# Altium PCB MB1166.PcbDoc (part 10 of 39) (continued)
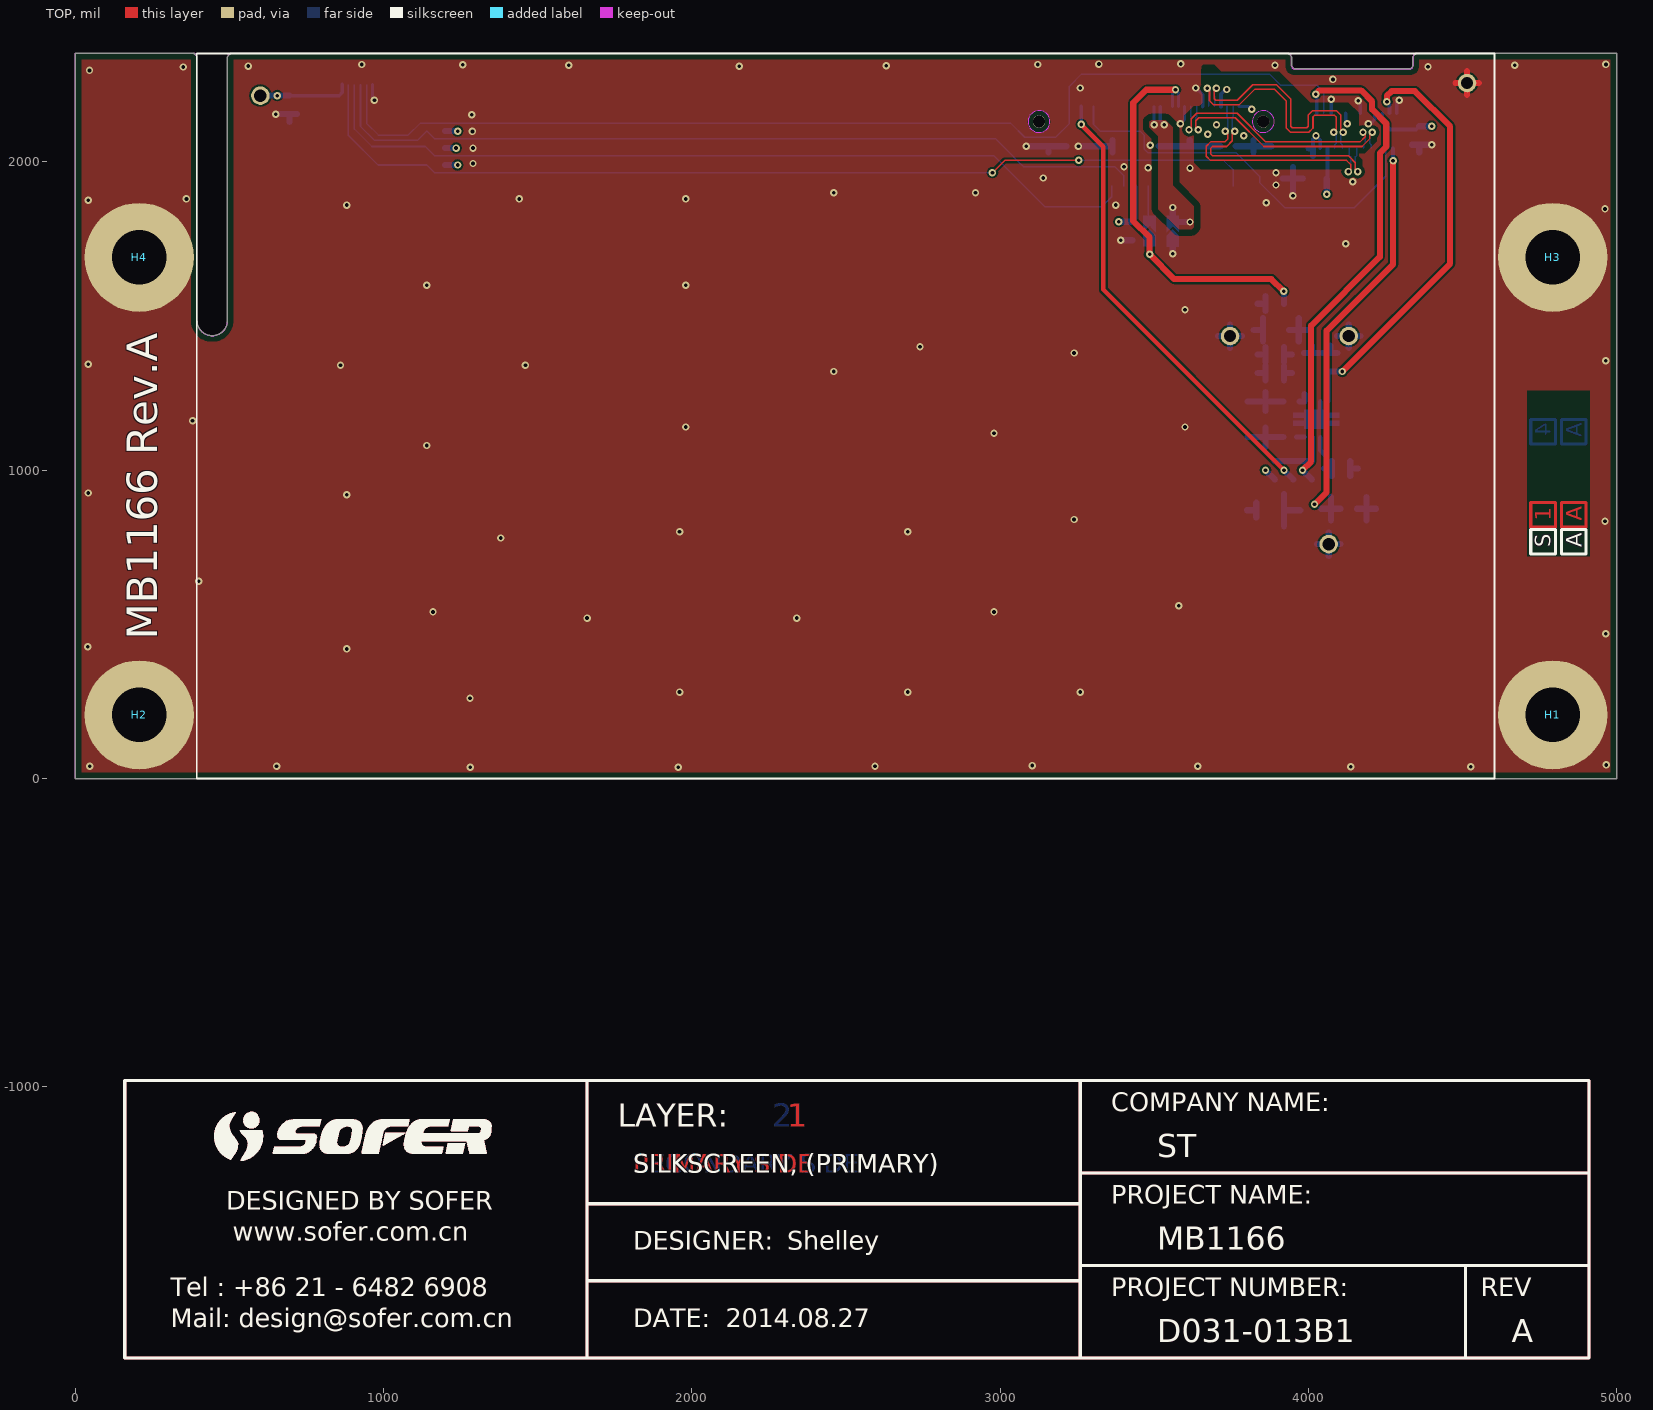
[diagram p0: TOP view]
## Nets (pads, with @x,y where several pads share a name; then routed paths per layer and width w, separated by ;. In a path a pad name is that pad's centre, name@x,y a point inside that pad or via, vN(x,y) a via of type N, cw(c..) or ccw(c..) an arc to the next point about the centre after c; other vN are vias at no path point) (continued)
; 1077.37,-1143.85 1077.41,-1143.75 ; 1077.37,-1143.85 1077.41,-1143.75 ; 1077.41,-1210.5 1077.5,-1210.56 ; 1077.41,-1210.5 1077.5,-1210.56 ; 1077.41,-1143.75 1077.44,-1143.66 ; 1077.41,-1143.75 1077.44,-1143.66 ; 1077.44,-1143.66 1077.56,-1143.39 ; 1077.44,-1143.66 1077.56,-1143.39 ; 1077.5,-1210.56 1077.58,-1210.62 ; 1077.5,-1210.56 1077.58,-1210.62 ; 1077.56,-1143.39 1077.6,-1143.29 ; 1077.56,-1143.39 1077.6,-1143.29 ; 1077.58,-1210.62 1077.66,-1210.67 ; 1077.58,-1210.62 1077.66,-1210.67 ; 1077.6,-1143.29 1077.68,-1143.11 ; 1077.6,-1143.29 1077.68,-1143.11 ; 1077.66,-1210.67 1077.75,-1210.73 ; 1077.66,-1210.67 1077.75,-1210.73 ; 1077.68,-1143.11 1077.71,-1143.02 ; 1077.68,-1143.11 1077.71,-1143.02 ; 1077.71,-1143.02 1077.75,-1142.92 ; 1077.71,-1143.02 1077.75,-1142.92 ; 1077.75,-1210.73 1077.91,-1210.83 ; 1077.75,-1210.73 1077.91,-1210.83 ; 1077.75,-1142.92 1077.87,-1142.65 ; 1077.75,-1142.92 1077.87,-1142.65 ; 1077.87,-1142.65 1077.91,-1142.55 ; 1077.87,-1142.65 1077.91,-1142.55 ; 1077.91,-1210.83 1078,-1210.89 ; 1077.91,-1210.83 1078,-1210.89 ; 1077.91,-1142.55 1077.94,-1142.46 ; 1077.91,-1142.55 1077.94,-1142.46 ; 1077.94,-1142.46 1078.06,-1142.19 ; 1077.94,-1142.46 1078.06,-1142.19 ; 1078,-1210.89 1078.09,-1210.94 ; 1078,-1210.89 1078.09,-1210.94 ; 1078.06,-1142.19 1078.1,-1142.09 ; 1078.06,-1142.19 1078.1,-1142.09 ; 1078.09,-1210.94 1078.17,-1210.99 ; 1078.09,-1210.94 1078.17,-1210.99 ; 1078.1,-1142.09 1078.13,-1142 ; 1078.1,-1142.09 1078.13,-1142 ; 1078.17,-1210.99 1078.26,-1211.04 ; 1078.17,-1210.99 1078.26,-1211.04 ; 1078.13,-1142 1078.21,-1141.82 ; 1078.13,-1142 1078.21,-1141.82 ; 1078.21,-1141.82 1078.25,-1141.72 ; 1078.21,-1141.82 1078.25,-1141.72 ; 1078.26,-1211.04 1078.34,-1211.09 ; 1078.26,-1211.04 1078.34,-1211.09 ; 1078.25,-1141.72 1078.33,-1141.54 ; 1078.25,-1141.72 1078.33,-1141.54 ; 1078.34,-1211.09 1078.61,-1211.24 ; 1078.34,-1211.09 1078.61,-1211.24 ; 1078.33,-1141.54 1078.36,-1141.45 ; 1078.33,-1141.54 1078.36,-1141.45 ; 1078.36,-1141.45 1078.4,-1141.35 ; 1078.36,-1141.45 1078.4,-1141.35 ; 1078.4,-1141.35 1078.52,-1141.08 ; 1078.4,-1141.35 1078.52,-1141.08 ; 1078.52,-1141.08 1078.56,-1140.98 ; 1078.52,-1141.08 1078.56,-1140.98 ; 1078.56,-1140.98 1078.64,-1140.8 ; 1078.56,-1140.98 1078.64,-1140.8 ; 1078.61,-1211.24 1078.69,-1211.28 ; 1078.61,-1211.24 1078.69,-1211.28 ; 1078.64,-1140.8 1078.67,-1140.71 ; 1078.64,-1140.8 1078.67,-1140.71 ; 1078.67,-1140.71 1078.71,-1140.62 ; 1078.67,-1140.71 1078.71,-1140.62 ; 1078.69,-1211.28 1078.87,-1211.38 ; 1078.69,-1211.28 1078.87,-1211.38 ; 1078.71,-1140.62 1078.75,-1140.52 ; 1078.71,-1140.62 1078.75,-1140.52 ; 1078.75,-1140.52 1078.95,-1140.07 ; 1078.75,-1140.52 1078.95,-1140.07 ; 1078.87,-1211.38 1078.96,-1211.42 ; 1078.87,-1211.38 1078.96,-1211.42 ; 1078.96,-1211.42 1079.05,-1211.47 ; 1078.96,-1211.42 1079.05,-1211.47 ; 1078.95,-1140.07 1078.99,-1139.97 ; 1078.95,-1140.07 1078.99,-1139.97 ; 1078.99,-1139.97 1079.19,-1139.52 ; 1078.99,-1139.97 1079.19,-1139.52 ; 1079.05,-1211.47 1079.14,-1211.51 ; 1079.05,-1211.47 1079.14,-1211.51 ; 1079.04,-1127.76 1079.08,-1127.58 ; 1079.04,-1127.76 1079.08,-1127.58 ; 1079.08,-1127.58 1079.14,-1127.28 ; 1079.08,-1127.58 1079.14,-1127.28 ; 1079.14,-1211.51 1079.23,-1211.56 ; 1079.14,-1211.51 1079.23,-1211.56 ; 1079.14,-1127.28 1079.16,-1127.19 ; 1079.14,-1127.28 1079.16,-1127.19 ; 1079.16,-1127.19 1079.24,-1126.79 ; 1079.16,-1127.19 1079.24,-1126.79 ; 1079.19,-1139.52 1079.24,-1139.43 ; 1079.19,-1139.52 1079.24,-1139.43 ; 1079.23,-1211.56 1079.32,-1211.6 ; 1079.23,-1211.56 1079.32,-1211.6 ; 1079.24,-1139.43 1079.28,-1139.33 ; 1079.24,-1139.43 1079.28,-1139.33 ; 1079.24,-1126.79 1079.26,-1126.7 ; 1079.24,-1126.79 1079.26,-1126.7 ; 1079.26,-1126.7 1079.28,-1126.6 ; 1079.26,-1126.7 1079.28,-1126.6 ; 1079.32,-1211.6 1079.41,-1211.65 ; 1079.32,-1211.6 1079.41,-1211.65 ; 1079.28,-1139.33 1079.4,-1139.06 ; 1079.28,-1139.33 1079.4,-1139.06 ; 1079.28,-1126.6 1078.12,-1127.76 1079.28,-1126.6 ; 1079.28,-1126.6 1079.31,-1126.5 ; 1079.28,-1126.6 1079.31,-1126.5 ; 1079.31,-1126.5 1079.35,-1126.3 ; 1079.31,-1126.5 1079.35,-1126.3 ; 1079.35,-1126.3 1079.37,-1126.21 ; 1079.35,-1126.3 1079.37,-1126.21 ; 1079.37,-1126.21 1079.43,-1125.91 ; 1079.37,-1126.21 1079.43,-1125.91 ; 1079.41,-1211.65 1079.59,-1211.73 ; 1079.41,-1211.65 1079.59,-1211.73 ; 1079.4,-1139.06 1079.45,-1138.97 ; 1079.4,-1139.06 1079.45,-1138.97 ; 1079.45,-1138.97 1079.57,-1138.7 ; 1079.45,-1138.97 1079.57,-1138.7 ; 1079.43,-1125.91 1079.45,-1125.82 ; 1079.43,-1125.91 1079.45,-1125.82 ; 1079.45,-1125.82 1079.53,-1125.42 ; 1079.45,-1125.82 1079.53,-1125.42 ; 1079.57,-1138.7 1079.62,-1138.61 ; 1079.57,-1138.7 1079.62,-1138.61 ; 1079.53,-1125.42 1079.55,-1125.33 ; 1079.53,-1125.42 1079.55,-1125.33 ; 1079.55,-1125.33 1079.57,-1125.23 ; 1079.55,-1125.33 1079.57,-1125.23 ; 1079.57,-1125.23 1079.6,-1125.13 ; 1079.57,-1125.23 1079.6,-1125.13 ; 1079.59,-1211.73 1079.68,-1211.78 ; 1079.59,-1211.73 1079.68,-1211.78 ; 1079.62,-1138.61 1079.66,-1138.52 ; 1079.62,-1138.61 1079.66,-1138.52 ; 1079.6,-1125.13 1079.62,-1125.03 ; 1079.6,-1125.13 1079.62,-1125.03 ; 1079.62,-1125.03 1079.64,-1124.94 ; 1079.62,-1125.03 1079.64,-1124.94 ; 1079.66,-1138.52 1079.71,-1138.43 ; 1079.66,-1138.52 1079.71,-1138.43 ; 1079.64,-1124.94 1079.72,-1124.54 ; 1079.64,-1124.94 1079.72,-1124.54 ; 1079.68,-1211.78 1080.04,-1211.94 ; 1079.68,-1211.78 1080.04,-1211.94 ; 1079.71,-1138.43 1079.79,-1138.25 ; 1079.71,-1138.43 1079.79,-1138.25 ; 1079.72,-1124.54 1079.74,-1124.45 ; 1079.72,-1124.54 1079.74,-1124.45 ; 1079.74,-1124.45 1079.82,-1124.05 ; 1079.74,-1124.45 1079.82,-1124.05 ; 1079.79,-1138.25 1079.89,-1138.07 ; 1079.79,-1138.25 1079.89,-1138.07 ; 1079.82,-1124.05 1079.84,-1123.96 ; 1079.82,-1124.05 1079.84,-1123.96 ; 1079.84,-1123.96 1079.87,-1123.86 ; 1079.84,-1123.96 1079.87,-1123.86 ; 1079.87,-1123.86 1079.91,-1123.66 ; 1079.87,-1123.86 1079.91,-1123.66 ; 1079.89,-1138.07 1079.93,-1137.98 ; 1079.89,-1138.07 1079.93,-1137.98 ; 1079.91,-1123.66 1079.93,-1123.57 ; 1079.91,-1123.66 1079.93,-1123.57 ; 1079.93,-1137.98 1079.98,-1137.9 ; 1079.93,-1137.98 1079.98,-1137.9 ; 1079.93,-1123.57 1080.01,-1123.17 ; 1079.93,-1123.57 1080.01,-1123.17 ; 1079.98,-1137.9 1080.02,-1137.81 ; 1079.98,-1137.9 1080.02,-1137.81 ; 1080.02,-1137.81 1080.12,-1137.63 ; 1080.02,-1137.81 1080.12,-1137.63 ; 1080.01,-1123.17 1080.03,-1123.08 ; 1080.01,-1123.17 1080.03,-1123.08 ; 1080.04,-1211.94 1080.13,-1211.99 ; 1080.04,-1211.94 1080.13,-1211.99 ; 1080.03,-1123.08 1080.09,-1122.78 ; 1080.03,-1123.08 1080.09,-1122.78 ; 1080.12,-1137.63 1080.16,-1137.54 ; 1080.12,-1137.63 1080.16,-1137.54 ; 1080.09,-1122.78 1080.11,-1122.69 ; 1080.09,-1122.78 1080.11,-1122.69 ; 1080.11,-1122.69 1080.13,-1122.59 ; 1080.11,-1122.69 1080.13,-1122.59 ; 1080.13,-1211.99 1080.31,-1212.07 ; 1080.13,-1211.99 1080.31,-1212.07 ; 1080.16,-1137.54 1080.21,-1137.45 ; 1080.16,-1137.54 1080.21,-1137.45 ; 1080.13,-1122.59 1080.16,-1122.49 ; 1080.13,-1122.59 1080.16,-1122.49 ; 1080.16,-1122.49 1080.2,-1122.29 ; 1080.16,-1122.49 1080.2,-1122.29 ; 1080.21,-1137.45 1080.26,-1137.37 ; 1080.21,-1137.45 1080.26,-1137.37 ; 1080.2,-1122.29 1080.22,-1122.2 ; 1080.2,-1122.29 1080.22,-1122.2 ; 1080.22,-1122.2 1080.3,-1121.8 ; 1080.22,-1122.2 1080.3,-1121.8 ; 1080.26,-1137.37 1080.41,-1137.1 ; 1080.26,-1137.37 1080.41,-1137.1 ; 1080.31,-1212.07 1080.41,-1212.11 ; 1080.31,-1212.07 1080.41,-1212.11 ; 1080.3,-1121.8 1080.32,-1121.71 ; 1080.3,-1121.8 1080.32,-1121.71 ; 1080.32,-1121.71 1080.38,-1121.41 ; 1080.32,-1121.71 1080.38,-1121.41 ; 1080.41,-1212.11 1080.86,-1212.31 ; 1080.41,-1212.11 1080.86,-1212.31 ; 1080.41,-1137.1 1080.45,-1137.02 ; 1080.41,-1137.1 1080.45,-1137.02 ; 1080.38,-1121.41 1080.4,-1121.32 ; 1080.38,-1121.41 1080.4,-1121.32 ; 1080.4,-1121.32 1080.43,-1121.22 ; 1080.4,-1121.32 1080.43,-1121.22 ; 1080.45,-1137.02 1080.55,-1136.84 ; 1080.45,-1137.02 1080.55,-1136.84 ; 1080.43,-1121.22 1080.49,-1120.92 ; 1080.43,-1121.22 1080.49,-1120.92 ; 1080.49,-1120.9 1073.63,-1127.76 1080.49,-1120.9 ; 1080.49,-1120.92 1080.51,-1120.83 ; 1080.49,-1120.92 1080.51,-1120.83 ; 1080.51,-1120.83 1080.57,-1120.53 ; 1080.51,-1120.83 1080.57,-1120.53 ; 1080.55,-1136.84 1080.6,-1136.76 ; 1080.55,-1136.84 1080.6,-1136.76 ; 1080.57,-1120.53 1080.59,-1120.44 ; 1080.57,-1120.53 1080.59,-1120.44 ; 1080.6,-1136.76 1080.7,-1136.58 ; 1080.6,-1136.76 1080.7,-1136.58 ; 1080.59,-1120.44 1080.67,-1120.04 ; 1080.59,-1120.44 1080.67,-1120.04 ; 1080.67,-1120.04 1080.69,-1119.95 ; 1080.67,-1120.04 1080.69,-1119.95 ; 1080.7,-1136.58 1080.76,-1136.5 ; 1080.7,-1136.58 1080.76,-1136.5 ; 1080.69,-1119.95 1080.72,-1119.85 ; 1080.69,-1119.95 1080.72,-1119.85 ; 1080.72,-1119.85 1080.78,-1119.55 ; 1080.72,-1119.85 1080.78,-1119.55 ; 1080.76,-1136.5 1080.81,-1136.41 ; 1080.76,-1136.5 1080.81,-1136.41 ; 1080.81,-1136.41 1080.86,-1136.33 ; 1080.81,-1136.41 1080.86,-1136.33 ; 1080.78,-1119.55 1080.8,-1119.46 ; 1080.78,-1119.55 1080.8,-1119.46 ; 1080.8,-1119.46 1080.86,-1119.16 ; 1080.8,-1119.46 1080.86,-1119.16 ; 1080.86,-1212.31 1080.96,-1212.34 ; 1080.86,-1212.31 1080.96,-1212.34 ; 1080.86,-1136.33 1080.91,-1136.24 ; 1080.86,-1136.33 1080.91,-1136.24 ; 1080.86,-1119.16 1080.88,-1119.07 ; 1080.86,-1119.16 1080.88,-1119.07 ; 1080.91,-1136.24 1080.96,-1136.16 ; 1080.91,-1136.24 1080.96,-1136.16 ; 1080.88,-1119.07 1080.96,-1118.67 ; 1080.88,-1119.07 1080.96,-1118.67 ; 1080.96,-1212.34 1081.32,-1212.5 ; 1080.96,-1212.34 1081.32,-1212.5 ; 1080.96,-1136.16 1081.01,-1136.07 ; 1080.96,-1136.16 1081.01,-1136.07 ; 1080.96,-1118.67 1080.99,-1118.58 ; 1080.96,-1118.67 1080.99,-1118.58 ; 1081.01,-1136.07 1081.07,-1135.98 ; 1081.01,-1136.07 1081.07,-1135.98 ; 1080.99,-1118.58 1081.05,-1118.28 ; 1080.99,-1118.58 1081.05,-1118.28 ; 1081.07,-1135.98 1081.12,-1135.9 ; 1081.07,-1135.98 1081.12,-1135.9 ; 1081.05,-1118.28 1081.07,-1118.19 ; 1081.05,-1118.28 1081.07,-1118.19 ; 1081.07,-1118.19 1081.15,-1117.79 ; 1081.07,-1118.19 1081.15,-1117.79 ; 1081.12,-1135.9 1081.17,-1135.81 ; 1081.12,-1135.9 1081.17,-1135.81 ; 1081.17,-1135.81 1081.22,-1135.73 ; 1081.17,-1135.81 1081.22,-1135.73 ; 1081.15,-1117.79 1081.17,-1117.7 ; 1081.15,-1117.79 1081.17,-1117.7 ; 1081.17,-1117.7 1081.25,-1117.3 ; 1081.17,-1117.7 1081.25,-1117.3 ; 1081.22,-1135.73 1081.28,-1135.64 ; 1081.22,-1135.73 1081.28,-1135.64 ; 1081.25,-1117.3 1081.28,-1117.21 ; 1081.25,-1117.3 1081.28,-1117.21 ; 1081.32,-1212.5 1081.42,-1212.54 ; 1081.32,-1212.5 1081.42,-1212.54 ; 1081.28,-1135.64 1081.33,-1135.56 ; 1081.28,-1135.64 1081.33,-1135.56 ; 1081.28,-1117.21 1081.34,-1116.91 ; 1081.28,-1117.21 1081.34,-1116.91 ; 1081.33,-1135.56 1081.38,-1135.47 ; 1081.33,-1135.56 1081.38,-1135.47 ; 1081.34,-1116.91 1081.36,-1116.82 ; 1081.34,-1116.91 1081.36,-1116.82 ; 1081.36,-1116.82 1081.44,-1116.42 ; 1081.36,-1116.82 1081.44,-1116.42 ; 1081.42,-1212.54 1081.78,-1212.7 ; 1081.42,-1212.54 1081.78,-1212.7 ; 1081.38,-1135.47 1081.43,-1135.39 ; 1081.38,-1135.47 1081.43,-1135.39 ; 1081.43,-1135.39 1081.49,-1135.31 ; 1081.43,-1135.39 1081.49,-1135.31 ; 1081.44,-1116.42 1081.46,-1116.33 ; 1081.44,-1116.42 1081.46,-1116.33 ; 1081.46,-1116.33 1081.52,-1116.03 ; 1081.46,-1116.33 1081.52,-1116.03 ; 1081.49,-1135.31 1081.54,-1135.22 ; 1081.49,-1135.31 1081.54,-1135.22 ; 1081.52,-1116.03 1081.55,-1115.94 ; 1081.52,-1116.03 1081.55,-1115.94 ; 1081.54,-1135.22 1081.59,-1135.14 ; 1081.54,-1135.22 1081.59,-1135.14 ; 1081.55,-1115.94 1081.63,-1115.54 ; 1081.55,-1115.94 1081.63,-1115.54 ; 1081.59,-1135.14 1081.65,-1135.05 ; 1081.59,-1135.14 1081.65,-1135.05 ; 1081.65,-1135.05 1081.7,-1134.97 ; 1081.65,-1135.05 1081.7,-1134.97 ; 1081.63,-1115.54 1081.65,-1115.45 ; 1081.63,-1115.54 1081.65,-1115.45 ; 1081.65,-1115.45 1081.73,-1115.05 ; 1081.65,-1115.45 1081.73,-1115.05 ; 1081.7,-1134.97 1081.75,-1134.88 ; 1081.7,-1134.97 1081.75,-1134.88 ; 1081.75,-1134.88 1081.81,-1134.8 ; 1081.75,-1134.88 1081.81,-1134.8 ; 1081.73,-1115.05 1081.75,-1114.96 ; 1081.73,-1115.05 1081.75,-1114.96 ; 1081.75,-1114.96 1081.81,-1114.66 ; 1081.75,-1114.96 1081.81,-1114.66 ; 1081.78,-1212.7 1081.88,-1212.73 ; 1081.78,-1212.7 1081.88,-1212.73 ; 1081.81,-1134.8 1081.86,-1134.71 ; 1081.81,-1134.8 1081.86,-1134.71 ; 1081.81,-1114.66 1081.84,-1114.57 ; 1081.81,-1114.66 1081.84,-1114.57 ; 1081.86,-1134.71 1081.92,-1134.63 ; 1081.86,-1134.71 1081.92,-1134.63 ; 1081.84,-1114.57 1081.92,-1114.17 ; 1081.84,-1114.57 1081.92,-1114.17 ; 1081.88,-1212.73 1082.15,-1212.85 ; 1081.88,-1212.73 1082.15,-1212.85 ; 1081.92,-1134.63 1081.97,-1134.55 ; 1081.92,-1134.63 1081.97,-1134.55 ; 1081.92,-1114.17 1081.94,-1114.08 ; 1081.92,-1114.17 1081.94,-1114.08 ; 1081.97,-1134.55 1082.02,-1134.46 ; 1081.97,-1134.55 1082.02,-1134.46 ; 1081.94,-1114.08 1082,-1113.78 ; 1081.94,-1114.08 1082,-1113.78 ; 1082.02,-1134.46 1082.08,-1134.38 ; 1082.02,-1134.46 1082.08,-1134.38 ; 1082,-1113.78 1082.02,-1113.69 ; 1082,-1113.78 1082.02,-1113.69 ; 1082.02,-1113.69 1082.08,-1113.39 ; 1082.02,-1113.69 1082.08,-1113.39 ; 1082.08,-1134.38 1082.13,-1134.29 ; 1082.08,-1134.38 1082.13,-1134.29 ; 1082.08,-1113.39 1082.11,-1113.29 ; 1082.08,-1113.39 1082.11,-1113.29 ; 1082.11,-1113.29 1082.13,-1113.2 ; 1082.11,-1113.29 1082.13,-1113.2 ; 1082.15,-1212.85 1082.25,-1212.89 ; 1082.15,-1212.85 1082.25,-1212.89 ; 1082.13,-1134.29 1082.18,-1134.21 ; 1082.13,-1134.29 1082.18,-1134.21 ; 1082.13,-1113.2 1082.21,-1112.8 ; 1082.13,-1113.2 1082.21,-1112.8 ; 1082.18,-1134.21 1082.24,-1134.12 ; 1082.18,-1134.21 1082.24,-1134.12 ; 1082.21,-1112.8 1082.23,-1112.71 ; 1082.21,-1112.8 1082.23,-1112.71 ; 1082.25,-1212.89 1082.43,-1212.97 ; 1082.25,-1212.89 1082.43,-1212.97 ; 1082.24,-1134.12 1082.29,-1134.04 ; 1082.24,-1134.12 1082.29,-1134.04 ; 1082.23,-1112.71 1082.29,-1112.41 ; 1082.23,-1112.71 1082.29,-1112.41 ; 1082.29,-1134.04 1082.35,-1133.96 ; 1082.29,-1134.04 1082.35,-1133.96 ; 1082.29,-1112.41 1082.31,-1112.32 ; 1082.29,-1112.41 1082.31,-1112.32 ; 1082.31,-1112.32 1082.37,-1112.02 ; 1082.31,-1112.32 1082.37,-1112.02 ; 1082.35,-1133.96 1082.4,-1133.87 ; 1082.35,-1133.96 1082.4,-1133.87 ; 1082.37,-1112.02 1082.4,-1111.92 ; 1082.37,-1112.02 1082.4,-1111.92 ; 1082.4,-1133.87 1082.45,-1133.79 ; 1082.4,-1133.87 1082.45,-1133.79 ; 1082.4,-1111.92 1082.42,-1111.83 ; 1082.4,-1111.92 1082.42,-1111.83 ; 1082.42,-1111.83 1082.48,-1111.53 ; 1082.42,-1111.83 1082.48,-1111.53 ; 1082.43,-1212.97 1082.52,-1213 ; 1082.43,-1212.97 1082.52,-1213 ; 1082.45,-1133.79 1082.51,-1133.7 ; 1082.45,-1133.79 1082.51,-1133.7 ; 1082.52,-1213 1082.62,-1213.04 ; 1082.52,-1213 1082.62,-1213.04 ; 1082.51,-1133.7 1082.56,-1133.62 ; 1082.51,-1133.7 1082.56,-1133.62 ; 1082.48,-1111.53 1082.5,-1111.44 ; 1082.48,-1111.53 1082.5,-1111.44 ; 1082.5,-1111.44 1082.58,-1111.04 ; 1082.5,-1111.44 1082.58,-1111.04 ; 1082.56,-1133.62 1082.61,-1133.53 ; 1082.56,-1133.62 1082.61,-1133.53 ; 1082.62,-1213.04 1082.8,-1213.12 ; 1082.62,-1213.04 1082.8,-1213.12 ; 1082.61,-1133.53 1082.67,-1133.45 ; 1082.61,-1133.53 1082.67,-1133.45 ; 1082.58,-1111.04 1082.6,-1110.95 ; 1082.58,-1111.04 1082.6,-1110.95 ; 1082.6,-1110.95 1082.64,-1110.75 ; 1082.6,-1110.95 1082.64,-1110.75 ; 1082.67,-1133.45 1082.72,-1133.36 ; 1082.67,-1133.45 1082.72,-1133.36 ; 1082.64,-1110.75 1082.67,-1110.65 ; 1082.64,-1110.75 1082.67,-1110.65 ; 1082.67,-1110.65 1082.69,-1110.55 ; 1082.67,-1110.65 1082.69,-1110.55 ; 1082.72,-1133.36 1082.77,-1133.28 ; 1082.72,-1133.36 1082.77,-1133.28 ; 1082.69,-1110.55 1082.71,-1110.46 ; 1082.69,-1110.55 1082.71,-1110.46 ; 1082.71,-1110.46 1082.77,-1110.16 ; 1082.71,-1110.46 1082.77,-1110.16 ; 1082.77,-1133.28 1082.83,-1133.19 ; 1082.77,-1133.28 1082.83,-1133.19 ; 1082.77,-1110.16 1082.79,-1110.07 ; 1082.77,-1110.16 1082.79,-1110.07 ; 1082.8,-1213.12 1082.89,-1213.15 ; 1082.8,-1213.12 1082.89,-1213.15 ; 1082.79,-1110.07 1082.87,-1109.67 ; 1082.79,-1110.07 1082.87,-1109.67 ; 1082.83,-1133.19 1082.88,-1133.11 ; 1082.83,-1133.19 1082.88,-1133.11 ; 1082.87,-1109.67 1082.89,-1109.58 ; 1082.87,-1109.67 1082.89,-1109.58 ; 1082.89,-1213.15 1082.99,-1213.19 ; 1082.89,-1213.15 1082.99,-1213.19 ; 1082.88,-1133.11 1082.93,-1133.02 ; 1082.88,-1133.11 1082.93,-1133.02 ; 1082.89,-1109.58 1082.93,-1109.38 ; 1082.89,-1109.58 1082.93,-1109.38 ; 1082.93,-1133.02 1082.99,-1132.94 ; 1082.93,-1133.02 1082.99,-1132.94 ; 1082.93,-1109.38 1082.96,-1109.28 ; 1082.93,-1109.38 1082.96,-1109.28 ; 1082.96,-1109.28 1082.98,-1109.19 ; 1082.96,-1109.28 1082.98,-1109.19 ; 1082.99,-1213.19 1083.17,-1213.27 ; 1082.99,-1213.19 1083.17,-1213.27 ; 1082.99,-1132.94 1083.04,-1132.85 ; 1082.99,-1132.94 1083.04,-1132.85 ; 1082.98,-1109.19 1083.06,-1108.79 ; 1082.98,-1109.19 1083.06,-1108.79 ; 1083.04,-1132.85 1083.09,-1132.77 ; 1083.04,-1132.85 1083.09,-1132.77 ; 1083.06,-1108.79 1083.08,-1108.7 ; 1083.06,-1108.79 1083.08,-1108.7 ; 1083.09,-1132.77 1083.14,-1132.68 ; 1083.09,-1132.77 1083.14,-1132.68 ; 1083.08,-1108.7 1083.16,-1108.3 ; 1083.08,-1108.7 1083.16,-1108.3 ; 1083.17,-1213.27 1083.27,-1213.3 ; 1083.17,-1213.27 1083.27,-1213.3 ; 1083.14,-1132.68 1083.19,-1132.6 ; 1083.14,-1132.68 1083.19,-1132.6 ; 1083.16,-1108.3 1083.18,-1108.21 ; 1083.16,-1108.3 1083.18,-1108.21 ; 1083.19,-1132.6 1083.25,-1132.51 ; 1083.19,-1132.6 1083.25,-1132.51 ; 1083.18,-1108.21 1083.2,-1108.11 ; 1083.18,-1108.21 1083.2,-1108.11 ; 1083.2,-1108.11 1083.23,-1108.01 ; 1083.2,-1108.11 1083.23,-1108.01 ; 1083.27,-1213.3 1083.36,-1213.34 ; 1083.27,-1213.3 1083.36,-1213.34 ; 1083.25,-1132.51 1083.3,-1132.43 ; 1083.25,-1132.51 1083.3,-1132.43 ; 1083.23,-1108.01 1083.25,-1107.91 ; 1083.23,-1108.01 1083.25,-1107.91 ; 1083.25,-1107.91 1083.27,-1107.82 ; 1083.25,-1107.91 1083.27,-1107.82 ; 1083.27,-1107.82 1083.35,-1107.42 ; 1083.27,-1107.82 1083.35,-1107.42 ; 1083.3,-1132.43 1083.35,-1132.34 ; 1083.3,-1132.43 1083.35,-1132.34 ; 1083.36,-1213.34 1083.45,-1213.37 ; 1083.36,-1213.34 1083.45,-1213.37 ; 1083.35,-1132.34 1083.4,-1132.26 ; 1083.35,-1132.34 1083.4,-1132.26 ; 1083.35,-1107.42 1083.37,-1107.33 ; 1083.35,-1107.42 1083.37,-1107.33 ; 1083.37,-1107.33 1083.43,-1107.03 ; 1083.37,-1107.33 1083.43,-1107.03 ; 1083.4,-1132.26 1083.5,-1132.08 ; 1083.4,-1132.26 1083.5,-1132.08 ; 1083.45,-1213.37 1083.55,-1213.41 ; 1083.45,-1213.37 1083.55,-1213.41 ; 1083.43,-1107.03 1083.45,-1106.94 ; 1083.43,-1107.03 1083.45,-1106.94 ; 1083.45,-1106.94 1083.49,-1106.74 ; 1083.45,-1106.94 1083.49,-1106.74 ; 1083.5,-1132.08 1083.56,-1132 ; 1083.5,-1132.08 1083.56,-1132 ; 1083.55,-1213.41 1083.64,-1213.45 ; 1083.55,-1213.41 1083.64,-1213.45 ; 1083.56,-1132 1083.61,-1131.91 ; 1083.56,-1132 1083.61,-1131.91 ; 1083.61,-1131.91 1083.66,-1131.83 ; 1083.61,-1131.91 1083.66,-1131.83 ; 1083.64,-1213.45 1083.73,-1213.48 ; 1083.64,-1213.45 1083.73,-1213.48 ; 1083.66,-1131.83 1083.71,-1131.74 ; 1083.66,-1131.83 1083.71,-1131.74 ; 1083.71,-1131.74 1083.76,-1131.66 ; 1083.71,-1131.74 1083.76,-1131.66 ; 1083.73,-1213.48 1083.83,-1213.52 ; 1083.73,-1213.48 1083.83,-1213.52 ; 1083.76,-1131.66 1083.86,-1131.48 ; 1083.76,-1131.66 1083.86,-1131.48 ; 1083.83,-1213.52 1084.01,-1213.58 ; 1083.83,-1213.52 1084.01,-1213.58 ; 1083.86,-1131.48 1083.91,-1131.4 ; 1083.86,-1131.48 1083.91,-1131.4 ; 1083.91,-1131.4 1083.96,-1131.31 ; 1083.91,-1131.4 1083.96,-1131.31 ; 1083.96,-1131.31 1084.01,-1131.23 ; 1083.96,-1131.31 1084.01,-1131.23 ; 1084.01,-1213.58 1084.11,-1213.62 ; 1084.01,-1213.58 1084.11,-1213.62 ; 1084.01,-1131.23 1084.07,-1131.14 ; 1084.01,-1131.23 1084.07,-1131.14 ; 1084.07,-1131.14 1084.12,-1131.05 ; 1084.07,-1131.14 1084.12,-1131.05 ; 1084.11,-1213.62 1084.2,-1213.65 ; 1084.11,-1213.62 1084.2,-1213.65 ; 1084.12,-1131.05 1084.17,-1130.97 ; 1084.12,-1131.05 1084.17,-1130.97 ; 1084.17,-1130.97 1084.22,-1130.88 ; 1084.17,-1130.97 1084.22,-1130.88 ; 1084.2,-1213.65 1084.3,-1213.69 ; 1084.2,-1213.65 1084.3,-1213.69 ; 1084.22,-1130.88 1084.27,-1130.8 ; 1084.22,-1130.88 1084.27,-1130.8 ; 1084.27,-1130.8 1084.37,-1130.62 ; 1084.27,-1130.8 1084.37,-1130.62 ; 1084.3,-1213.69 1084.39,-1213.72 ; 1084.3,-1213.69 1084.39,-1213.72 ; 1084.37,-1130.62 1084.42,-1130.54 ; 1084.37,-1130.62 1084.42,-1130.54 ; 1084.39,-1213.72 1084.49,-1213.75 ; 1084.39,-1213.72 1084.49,-1213.75 ; 1084.42,-1130.54 1084.48,-1130.45 ; 1084.42,-1130.54 1084.48,-1130.45 ; 1084.49,-1213.75 1084.58,-1213.78 ; 1084.49,-1213.75 1084.58,-1213.78 ; 1084.48,-1130.45 1084.53,-1130.37 ; 1084.48,-1130.45 1084.53,-1130.37 ; 1084.53,-1130.37 1084.63,-1130.19 ; 1084.53,-1130.37 1084.63,-1130.19 ; 1084.58,-1213.78 1084.67,-1213.82 ; 1084.58,-1213.78 1084.67,-1213.82 ; 1084.67,-1213.82 1084.77,-1213.85 ; 1084.67,-1213.82 1084.77,-1213.85 ; 1084.63,-1130.19 1084.68,-1130.11 ; 1084.63,-1130.19 1084.68,-1130.11 ; 1084.68,-1130.11 1084.73,-1130.02 ; 1084.68,-1130.11 1084.73,-1130.02 ; 1084.77,-1213.85 1084.86,-1213.88 ; 1084.77,-1213.85 1084.86,-1213.88 ; 1084.73,-1130.02 1084.79,-1129.94 ; 1084.73,-1130.02 1084.79,-1129.94 ; 1084.79,-1129.94 1084.84,-1129.85 ; 1084.79,-1129.94 1084.84,-1129.85 ; 1084.86,-1213.88 1085.06,-1213.94 ; 1084.86,-1213.88 1085.06,-1213.94 ; 1084.84,-1129.85 1084.89,-1129.77 ; 1084.84,-1129.85 1084.89,-1129.77 ; 1084.89,-1129.77 1084.94,-1129.68 ; 1084.89,-1129.77 1084.94,-1129.68 ; 1084.94,-1129.68 1085,-1129.6 ; 1084.94,-1129.68 1085,-1129.6 ; 1085,-1129.6 1085.05,-1129.51 ; 1085,-1129.6 1085.05,-1129.51 ; 1085.06,-1213.94 1085.15,-1213.97 ; 1085.06,-1213.94 1085.15,-1213.97 ; 1085.05,-1129.51 1085.1,-1129.43 ; 1085.05,-1129.51 1085.1,-1129.43 ; 1085.1,-1129.43 1085.16,-1129.34 ; 1085.1,-1129.43 1085.16,-1129.34 ; 1085.15,-1213.97 1085.25,-1214 ; 1085.15,-1213.97 1085.25,-1214 ; 1085.16,-1129.34 1085.26,-1129.18 ; 1085.16,-1129.34 1085.26,-1129.18 ; 1085.25,-1214 1085.34,-1214.03 ; 1085.25,-1214 1085.34,-1214.03 ; 1085.26,-1129.18 1085.32,-1129.09 ; 1085.26,-1129.18 1085.32,-1129.09 ; 1085.32,-1129.09 1085.37,-1129.01 ; 1085.32,-1129.09 1085.37,-1129.01 ; 1085.34,-1214.03 1085.44,-1214.05 ; 1085.34,-1214.03 1085.44,-1214.05 ; 1085.37,-1129.01 1085.43,-1128.92 ; 1085.37,-1129.01 1085.43,-1128.92 ; 1085.44,-1214.05 1085.53,-1214.08 ; 1085.44,-1214.05 1085.53,-1214.08 ; 1085.43,-1128.92 1085.48,-1128.84 ; 1085.43,-1128.92 1085.48,-1128.84 ; 1085.48,-1128.84 1085.54,-1128.76 ; 1085.48,-1128.84 1085.54,-1128.76 ; 1085.53,-1214.08 1085.73,-1214.14 ; 1085.53,-1214.08 1085.73,-1214.14 ; 1085.54,-1128.76 1085.59,-1128.67 ; 1085.54,-1128.76 1085.59,-1128.67 ; 1085.59,-1128.67 1085.65,-1128.59 ; 1085.59,-1128.67 1085.65,-1128.59 ; 1085.65,-1128.59 1085.7,-1128.51 ; 1085.65,-1128.59 1085.7,-1128.51 ; 1085.7,-1128.51 1085.76,-1128.42 ; 1085.7,-1128.51 1085.76,-1128.42 ; 1085.73,-1214.14 1085.82,-1214.17 ; 1085.73,-1214.14 1085.82,-1214.17 ; 1085.76,-1128.42 1085.81,-1128.34 ; 1085.76,-1128.42 1085.81,-1128.34 ; 1085.82,-1214.17 1085.92,-1214.19 ; 1085.82,-1214.17 1085.92,-1214.19 ; 1085.81,-1128.34 1085.93,-1128.18 ; 1085.81,-1128.34 1085.93,-1128.18 ; 1085.92,-1214.19 1086.02,-1214.22 ; 1085.92,-1214.19 1086.02,-1214.22 ; 1085.93,-1128.18 1085.99,-1128.09 ; 1085.93,-1128.18 1085.99,-1128.09 ; 1086.02,-1214.22 1086.11,-1214.25 ; 1086.02,-1214.22 1086.11,-1214.25 ; 1085.99,-1128.09 1086.04,-1128.01 ; 1085.99,-1128.09 1086.04,-1128.01 ; 1086.04,-1128.01 1086.34,-1127.61 ; 1086.04,-1128.01 1086.34,-1127.61 ; 1086.11,-1214.25 1086.21,-1214.27 ; 1086.11,-1214.25 1086.21,-1214.27 ; 1086.21,-1214.27 1086.3,-1214.3 ; 1086.21,-1214.27 1086.3,-1214.3 ; 1086.3,-1214.3 1086.4,-1214.32 ; 1086.3,-1214.3 1086.4,-1214.32 ; 1086.34,-1127.61 1086.39,-1127.53 ; 1086.34,-1127.61 1086.39,-1127.53 ; 1086.4,-1214.32 1086.5,-1214.35 ; 1086.4,-1214.32 1086.5,-1214.35 ; 1086.39,-1127.53 1086.69,-1127.13 ; 1086.39,-1127.53 1086.69,-1127.13 ; 1086.5,-1214.35 1086.59,-1214.37 ; 1086.5,-1214.35 1086.59,-1214.37 ; 1086.59,-1214.37 1086.69,-1214.4 ; 1086.59,-1214.37 1086.69,-1214.4 ; 1086.69,-1214.4 1086.79,-1214.42 ; 1086.69,-1214.4 1086.79,-1214.42 ; 1086.69,-1127.13 1086.76,-1127.05 ; 1086.69,-1127.13 1086.76,-1127.05 ; 1086.76,-1127.05 1087.12,-1126.57 ; 1086.76,-1127.05 1087.12,-1126.57 ; 1086.79,-1214.42 1086.89,-1214.45 ; 1086.79,-1214.42 1086.89,-1214.45 ; 1086.89,-1214.45 1086.98,-1214.47 ; 1086.89,-1214.45 1086.98,-1214.47 ; 1086.98,-1214.47 1087.08,-1214.5 ; 1086.98,-1214.47 1087.08,-1214.5 ; 1087.08,-1214.5 1087.18,-1214.52 ; 1087.08,-1214.5 1087.18,-1214.52 ; 1087.12,-1126.57 1087.19,-1126.5 ; 1087.12,-1126.57 1087.19,-1126.5 ; 1087.18,-1214.52 1087.27,-1214.55 ; 1087.18,-1214.52 1087.27,-1214.55 ; 1087.19,-1126.5 1087.31,-1126.34 ; 1087.19,-1126.5 1087.31,-1126.34 ; 1087.27,-1214.55 1087.37,-1214.57 ; 1087.27,-1214.55 1087.37,-1214.57 ; 1087.31,-1126.34 1087.38,-1126.26 ; 1087.31,-1126.34 1087.38,-1126.26 ; 1087.37,-1214.57 1087.47,-1214.6 ; 1087.37,-1214.57 1087.47,-1214.6 ; 1087.38,-1126.26 1087.44,-1126.19 ; 1087.38,-1126.26 1087.44,-1126.19 ; 1087.47,-1214.6 1087.56,-1214.62 ; 1087.47,-1214.6 1087.56,-1214.62 ; 1087.44,-1126.19 1087.5,-1126.11 ; 1087.44,-1126.19 1087.5,-1126.11 ; 1087.5,-1126.11 1087.57,-1126.03 ; 1087.5,-1126.11 1087.57,-1126.03 ; 1087.56,-1214.62 1087.66,-1214.64 ; 1087.56,-1214.62 1087.66,-1214.64 ; 1087.57,-1126.03 1087.63,-1125.95 ; 1087.57,-1126.03 1087.63,-1125.95 ; 1087.66,-1214.64 1087.76,-1214.67 ; 1087.66,-1214.64 1087.76,-1214.67 ; 1087.63,-1125.95 1087.69,-1125.88 ; 1087.63,-1125.95 1087.69,-1125.88 ; 1087.69,-1125.88 1087.76,-1125.8 ; 1087.69,-1125.88 1087.76,-1125.8 ; 1087.76,-1214.67 1087.86,-1214.69 ; 1087.75,-1214.67 1120.94,-1181.48 1087.75,-1214.67 ; 1087.76,-1214.67 1087.86,-1214.69 ; 1087.76,-1125.8 1087.82,-1125.72 ; 1087.76,-1125.8 1087.82,-1125.72 ; 1087.82,-1125.72 1087.89,-1125.65 ; 1087.82,-1125.72 1087.89,-1125.65 ; 1087.86,-1214.69 1087.95,-1214.72 ; 1087.86,-1214.69 1087.95,-1214.72 ; 1087.89,-1125.65 1087.95,-1125.57 ; 1087.89,-1125.65 1087.95,-1125.57 ; 1087.95,-1214.72 1088.15,-1214.76 ; 1087.95,-1214.72 1088.15,-1214.76 ; 1087.95,-1125.57 1088.02,-1125.49 ; 1087.95,-1125.57 1088.02,-1125.49 ; 1088.02,-1125.49 1088.08,-1125.42 ; 1088.02,-1125.49 1088.08,-1125.42 ; 1088.08,-1125.42 1088.15,-1125.34 ; 1088.08,-1125.42 1088.15,-1125.34 ; 1088.15,-1214.76 1088.24,-1214.79 ; 1088.15,-1214.76 1088.24,-1214.79 ; 1088.15,-1125.34 1088.21,-1125.27 ; 1088.15,-1125.34 1088.21,-1125.27 ; 1088.21,-1125.27 1088.28,-1125.19 ; 1088.21,-1125.27 1088.28,-1125.19 ; 1088.24,-1214.79 1088.34,-1214.81 ; 1088.24,-1214.79 1088.34,-1214.81 ; 1088.28,-1125.19 1088.34,-1125.11 ; 1088.28,-1125.19 1088.34,-1125.11 ; 1088.34,-1214.81 1088.44,-1214.84 ; 1088.34,-1214.81 1088.44,-1214.84 ; 1088.34,-1125.11 1088.41,-1125.04 ; 1088.34,-1125.11 1088.41,-1125.04 ; 1088.41,-1125.04 1088.47,-1124.96 ; 1088.41,-1125.04 1088.47,-1124.96 ; 1088.44,-1214.84 1088.53,-1214.86 ; 1088.44,-1214.84 1088.53,-1214.86 ; 1088.47,-1124.96 1088.54,-1124.89 ; 1088.47,-1124.96 1088.54,-1124.89 ; 1088.53,-1214.86 1088.63,-1214.89 ; 1088.53,-1214.86 1088.63,-1214.89 ; 1088.54,-1124.89 1088.6,-1124.81 ; 1088.54,-1124.89 1088.6,-1124.81 ; 1088.6,-1124.81 1088.67,-1124.74 ; 1088.6,-1124.81 1088.67,-1124.74 ; 1088.63,-1214.89 1088.83,-1214.93 ; 1088.63,-1214.89 1088.83,-1214.93 ; 1088.67,-1124.74 1088.74,-1124.66 ; 1088.67,-1124.74 1088.74,-1124.66 ; 1088.74,-1124.66 1088.8,-1124.59 ; 1088.74,-1124.66 1088.8,-1124.59 ; 1088.8,-1124.59 1088.87,-1124.51 ; 1088.8,-1124.59 1088.87,-1124.51 ; 1088.83,-1214.93 1088.92,-1214.96 ; 1088.83,-1214.93 1088.92,-1214.96 ; 1088.87,-1124.51 1088.94,-1124.44 ; 1088.87,-1124.51 1088.94,-1124.44 ; 1088.92,-1214.96 1089.02,-1214.98 ; 1088.92,-1214.96 1089.02,-1214.98 ; 1088.94,-1124.44 1089,-1124.36 ; 1088.94,-1124.44 1089,-1124.36 ; 1089.02,-1214.98 1089.12,-1215.01 ; 1089.02,-1214.98 1089.12,-1215.01 ; 1089,-1124.36 1089.14,-1124.22 ; 1089,-1124.36 1089.14,-1124.22 ; 1089.12,-1215.01 1089.21,-1215.03 ; 1089.12,-1215.01 1089.21,-1215.03 ; 1089.14,-1124.22 1089.2,-1124.14 ; 1089.14,-1124.22 1089.2,-1124.14 ; 1089.21,-1215.03 1089.31,-1215.05 ; 1089.21,-1215.03 1089.31,-1215.05 ; 1089.2,-1124.14 1089.27,-1124.07 ; 1089.2,-1124.14 1089.27,-1124.07 ; 1089.27,-1124.07 1089.34,-1123.99 ; 1089.27,-1124.07 1089.34,-1123.99 ; 1089.31,-1215.05 1089.41,-1215.08 ; 1089.31,-1215.05 1089.41,-1215.08 ; 1089.34,-1123.99 1089.4,-1123.92